# Altium PCB e-VEREST.PcbDoc (part 1 of 3) (continued)
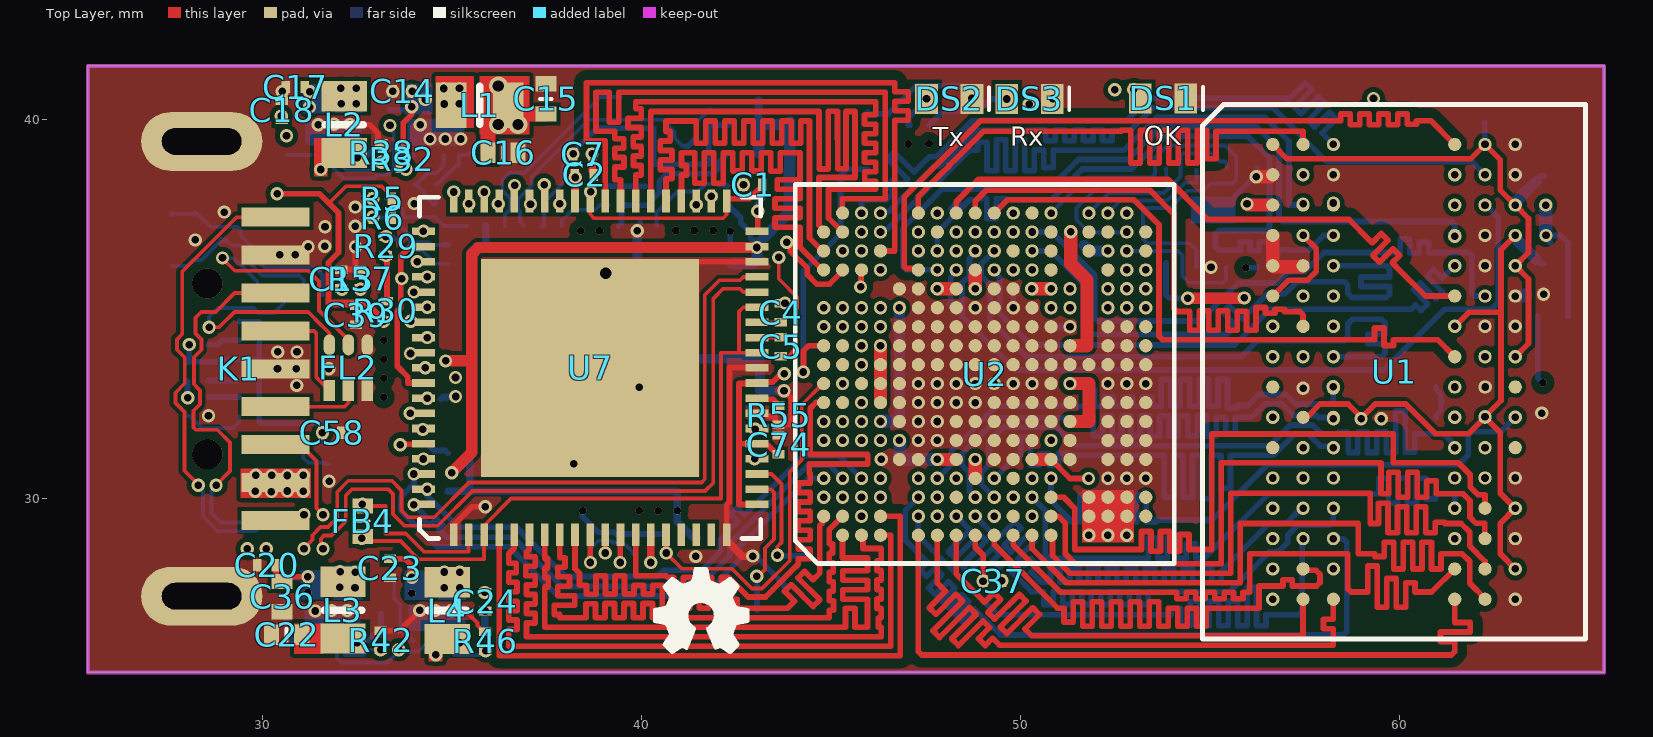
[diagram p0: Top Layer view]
## Footprints (in the part's own frame and the unit in brackets; to place one, negate y for a bottom-side part, rotate by r counter-clockwise, add the part's x,y. Pads: shape width x height; smd on the part's side, far side on the other; paste and mask are expansions set on the pad)
*BGA96C80P9X16_1000X1400X140N_IS43TR16512AL-125KBL(PRIMARY) [mm]
  round 0.35 smd: A1(-3.2,6) A2(-2.4,6) A3(-1.6,6) A7(1.6,6) A8(2.4,6) A9(3.2,6) B1(-3.2,5.2) B2(-2.4,5.2) B3(-1.6,5.2) B7(1.6,5.2) B8(2.4,5.2) B9(3.2,5.2) C1(-3.2,4.4) C2(-2.4,4.4) C3(-1.6,4.4) C7(1.6,4.4) C8(2.4,4.4) C9(3.2,4.4) D1(-3.2,3.6) D2(-2.4,3.6) D3(-1.6,3.6) D7(1.6,3.6) D8(2.4,3.6) D9(3.2,3.6) E1(-3.2,2.8) E2(-2.4,2.8) E3(-1.6,2.8) E7(1.6,2.8) E8(2.4,2.8) E9(3.2,2.8) F1(-3.2,2) F2(-2.4,2) F3(-1.6,2) F7(1.6,2) F8(2.4,2) F9(3.2,2) G1(-3.2,1.2) G2(-2.4,1.2) G3(-1.6,1.2) G7(1.6,1.2) G8(2.4,1.2) G9(3.2,1.2) H1(-3.2,0.4) H2(-2.4,0.4) H3(-1.6,0.4) H7(1.6,0.4) H8(2.4,0.4) H9(3.2,0.4) J1(-3.2,-0.4) J2(-2.4,-0.43) J3(-1.6,-0.43) J7(1.6,-0.4) J8(2.4,-0.4) J9(3.2,-0.4) K1(-3.2,-1.2) K2(-2.4,-1.2) K3(-1.6,-1.2) K7(1.6,-1.2) K8(2.4,-1.2) K9(3.2,-1.2) L1(-3.2,-2) L2(-2.4,-2) L3(-1.6,-2) L7(1.6,-2) L8(2.4,-2) L9(3.2,-2) M1(-3.2,-2.8) M2(-2.4,-2.8) M3(-1.6,-2.8) M7(1.6,-2.8) M8(2.4,-2.8) M9(3.2,-2.8) N1(-3.2,-3.6) N2(-2.4,-3.6) N3(-1.6,-3.6) N7(1.6,-3.6) N8(2.4,-3.6) N9(3.2,-3.6) P1(-3.2,-4.4) P2(-2.4,-4.4) P3(-1.6,-4.4) P7(1.6,-4.4) P8(2.4,-4.4) P9(3.2,-4.4) R1(-3.2,-5.2) R2(-2.4,-5.2) R3(-1.6,-5.2) R7(1.6,-5.2) R8(2.4,-5.2) R9(3.2,-5.2) T1(-3.2,-6) T2(-2.4,-6) T3(-1.6,-6) T7(1.6,-6) T8(2.4,-6) T9(3.2,-6)
  silkscreen extent -5.05,-7.05 5.05,7.05, body extent -5.05,-7.05 5.05,7.05, height 1.4
*BGA285N50P18X18_1000X1000X130 [mm]
  round 0.35 smd: A2(-3.75,4.25) A3(-3.25,4.25) A4(-2.75,4.25) A6(-1.75,4.25) A7(-1.25,4.25) A8(-0.75,4.25) A9(-0.25,4.25) A10(0.25,4.25) A11(0.75,4.25) A12(1.25,4.25) A13(1.75,4.25) A15(2.75,4.25) A16(3.25,4.25) A17(3.75,4.25) B1(-4.25,3.75) B2(-3.75,3.75) B3(-3.25,3.75) B4(-2.75,3.75) B6(-1.75,3.75) B7(-1.25,3.75) B8(-0.75,3.75) B9(-0.25,3.75) B10(0.25,3.75) B11(0.75,3.75) B12(1.25,3.75) B13(1.75,3.75) B15(2.75,3.75) B16(3.25,3.75) B17(3.75,3.75) B18(4.25,3.75) C1(-4.25,3.25) C2(-3.75,3.25) C3(-3.25,3.25) C4(-2.75,3.25) C6(-1.75,3.25) C7(-1.25,3.25) C8(-0.75,3.25) C9(-0.25,3.25) C10(0.25,3.25) C11(0.75,3.25) C12(1.25,3.25) C13(1.75,3.25) C15(2.75,3.25) C16(3.25,3.25) C17(3.75,3.25) C18(4.25,3.25) D1(-4.25,2.75) D2(-3.75,2.75) D3(-3.25,2.75) D4(-2.75,2.75) D6(-1.75,2.75) D7(-1.25,2.75) D8(-0.75,2.75) D9(-0.25,2.75) D10(0.25,2.75) D11(0.75,2.75) D12(1.25,2.75) D13(1.75,2.75) D15(2.75,2.75) D16(3.25,2.75) D17(3.75,2.75) D18(4.25,2.75) E5(-2.25,2.25) E6(-1.75,2.25) E7(-1.25,2.25) E8(-0.75,2.25) E9(-0.25,2.25) E10(0.25,2.25) E11(0.75,2.25) E12(1.25,2.25) E13(1.75,2.25) E14(2.25,2.25) F1(-4.25,1.75) F2(-3.75,1.75) F3(-3.25,1.75) F4(-2.75,1.75) F5(-2.25,1.75) F6(-1.75,1.75) F7(-1.25,1.75) F8(-0.75,1.75) F9(-0.25,1.75) F10(0.25,1.75) F11(0.75,1.75) F12(1.25,1.75) F13(1.75,1.75) F14(2.25,1.75) F15(2.75,1.75) F16(3.25,1.75) F17(3.75,1.75) F18(4.25,1.75) G1(-4.25,1.25) G2(-3.75,1.25) G3(-3.25,1.25) G4(-2.75,1.25) G5(-2.25,1.25) G6(-1.75,1.25) G7(-1.25,1.25) G8(-0.75,1.25) G9(-0.25,1.25) G10(0.25,1.25) G11(0.75,1.25) G12(1.25,1.25) G13(1.75,1.25) G14(2.25,1.25) G15(2.75,1.25) G16(3.25,1.25) G17(3.75,1.25) G18(4.25,1.25) H1(-4.25,0.75) H2(-3.75,0.75) H3(-3.25,0.75) H4(-2.75,0.75) H5(-2.25,0.75) H6(-1.75,0.75) H7(-1.25,0.75) H8(-0.75,0.75) H9(-0.25,0.75) H10(0.25,0.75) H11(0.75,0.75) H12(1.25,0.75) H13(1.75,0.75) H14(2.25,0.75) H15(2.75,0.75) H16(3.25,0.75) H17(3.75,0.75) H18(4.25,0.75) J1(-4.25,0.25) J2(-3.75,0.25) J3(-3.25,0.25) J4(-2.75,0.25) J5(-2.25,0.25) J6(-1.75,0.25) J7(-1.25,0.25) J8(-0.75,0.25) J9(-0.25,0.25) J10(0.25,0.25) J11(0.75,0.25) J12(1.25,0.25) J13(1.75,0.25) J14(2.25,0.25) J15(2.75,0.25) J16(3.25,0.25) J17(3.75,0.25) J18(4.25,0.25) K1(-4.25,-0.25) K2(-3.75,-0.25) K3(-3.25,-0.25) K4(-2.75,-0.25) K5(-2.25,-0.25) K6(-1.75,-0.25) K7(-1.25,-0.25) K8(-0.75,-0.25) K9(-0.25,-0.25) K10(0.25,-0.25) K11(0.75,-0.25) K12(1.25,-0.25) K13(1.75,-0.25) K14(2.25,-0.25) K15(2.75,-0.25) K16(3.25,-0.25) K17(3.75,-0.25) K18(4.25,-0.25) L1(-4.25,-0.75) L2(-3.75,-0.75) L3(-3.25,-0.75) L4(-2.75,-0.75) L5(-2.25,-0.75) L6(-1.75,-0.75) L7(-1.25,-0.75) L8(-0.75,-0.75) L9(-0.25,-0.75) L10(0.25,-0.75) L11(0.75,-0.75) L12(1.25,-0.75) L13(1.75,-0.75) L14(2.25,-0.75) L15(2.75,-0.75) L16(3.25,-0.75) L17(3.75,-0.75) L18(4.25,-0.75) M1(-4.25,-1.25) M2(-3.75,-1.25) M3(-3.25,-1.25) M4(-2.75,-1.25) M5(-2.25,-1.25) M6(-1.75,-1.25) M7(-1.25,-1.25) M8(-0.75,-1.25) M9(-0.25,-1.25) M10(0.25,-1.25) M11(0.75,-1.25) M12(1.25,-1.25) M13(1.75,-1.25) M14(2.25,-1.25) M15(2.75,-1.25) M16(3.25,-1.25) M17(3.75,-1.25) M18(4.25,-1.25) N1(-4.25,-1.75) N2(-3.75,-1.75) N3(-3.25,-1.75) N4(-2.75,-1.75) N5(-2.25,-1.75) N6(-1.75,-1.75) N7(-1.25,-1.75) N8(-0.75,-1.75) N9(-0.25,-1.75) N10(0.25,-1.75) N11(0.75,-1.75) N12(1.25,-1.75) N13(1.75,-1.75) N14(2.25,-1.75) N15(2.75,-1.75) N16(3.25,-1.75) N17(3.75,-1.75) N18(4.25,-1.75) P5(-2.25,-2.25) P6(-1.75,-2.25) P7(-1.25,-2.25) P8(-0.75,-2.25) P9(-0.25,-2.25) P10(0.25,-2.25) P11(0.75,-2.25) P12(1.25,-2.25) P13(1.75,-2.25) P14(2.25,-2.25) R1(-4.25,-2.75) R2(-3.75,-2.75) R3(-3.25,-2.75) R10(0.25,-2.75) R16(3.25,-2.75) R17(3.75,-2.75) R18(4.25,-2.75) T1(-4.25,-3.25) T2(-3.75,-3.25) T3(-3.25,-3.25) T4(-2.75,-3.25) T5(-2.25,-3.25) T6(-1.75,-3.25) T7(-1.25,-3.25) T8(-0.75,-3.25) T9(-0.25,-3.25) T10(0.25,-3.25) T11(0.75,-3.25) T12(1.25,-3.25) T13(1.75,-3.25) T14(2.25,-3.25) T15(2.75,-3.25) T16(3.25,-3.25) T17(3.75,-3.25) T18(4.25,-3.25) U1(-4.25,-3.75) U2(-3.75,-3.75) U3(-3.25,-3.75) U4(-2.75,-3.75) U5(-2.25,-3.75) U6(-1.75,-3.75) U7(-1.25,-3.75) U8(-0.75,-3.75) U9(-0.25,-3.75) U10(0.25,-3.75) U11(0.75,-3.75) U12(1.25,-3.75) U13(1.75,-3.75) U14(2.25,-3.75) U15(2.75,-3.75) U16(3.25,-3.75) U17(3.75,-3.75) U18(4.25,-3.75) V2(-3.75,-4.25) V3(-3.25,-4.25) V4(-2.75,-4.25) V5(-2.25,-4.25) V6(-1.75,-4.25) V7(-1.25,-4.25) V8(-0.75,-4.25) V9(-0.25,-4.25) V10(0.25,-4.25) V11(0.75,-4.25) V12(1.25,-4.25) V13(1.75,-4.25) V14(2.25,-4.25) V15(2.75,-4.25) V16(3.25,-4.25) V17(3.75,-4.25)
  silkscreen extent -5,-5 5,5, body extent -5,-5 5,5, height 1.3
*SON50P200X300X100-9N [mm]
  rect 0.6x0.27 smd: 1(-1.435,0.75) 2(-1.435,0.25) 3(-1.435,-0.25) 4(-1.435,-0.75) 5(1.435,-0.75) 6(1.435,-0.25) 7(1.435,0.25) 8(1.435,0.75)
  rect 1.625x1.425 smd: 9(0,0)
  silkscreen extent -1.52,-1.2 1.5,1.2, body extent -1.5,-1 1.5,1, height 0.75
*SON50P300X400X100-9N [mm]
  rect 0.5x0.2 smd: 1(-1.7,1.95) 2(-1.7,1.15) 3(-1.7,0.35) 4(-1.7,-0.45) 5(0.9,-0.45) 6(0.9,0.35) 7(0.9,1.15) 8(0.9,1.95)
  rect 0.2x0.8 smd: 9(-0.35,-0.05) 9(-0.35,1.55)
  silkscreen extent -1.9,-1.25 1.1,2.75, body extent -1.9,-1.25 1.1,2.75, height 0.55
CRYSTAL1210 [mm]
  rect 0.5x0.4 smd: 1(-0.4,-0.35) 2(0.4,-0.35) 3(0.4,0.35) 4(-0.4,0.35)
  body extent -0.61,-0.51 0.61,0.51, height 0.5
CRYSTAL2520 [mm]
  rect 0.75x0.6 smd: 1(-0.85,-0.65) 2(0.85,-0.65) 3(0.85,0.65) 4(-0.85,0.65)
  body extent -1.25,-1 1.25,1, height 0.5
FT601Q [mm]
  rect 0.6x0.2 smd: 1(-4.4,3.6) 2(-4.4,3.2) 3(-4.4,2.8) 4(-4.4,2.4) 5(-4.4,2) 6(-4.4,1.6) 7(-4.4,1.2) 8(-4.4,0.8) 9(-4.4,0.4) 10(-4.4,0) 11(-4.4,-0.4) 12(-4.4,-0.8) 13(-4.4,-1.2) 14(-4.4,-1.6) 15(-4.4,-2) 16(-4.4,-2.4) 17(-4.4,-2.8) 18(-4.4,-3.2) 19(-4.4,-3.6) 39(4.4,-3.6) 40(4.4,-3.2) 41(4.4,-2.8) 42(4.4,-2.4) 43(4.4,-2) 44(4.4,-1.6) 45(4.4,-1.2) 46(4.4,-0.8) 47(4.4,-0.4) 48(4.4,0) 49(4.4,0.4) 50(4.4,0.8) 51(4.4,1.2) 52(4.4,1.6) 53(4.4,2) 54(4.4,2.4) 55(4.4,2.8) 56(4.4,3.2) 57(4.4,3.6)
  rect 0.2x0.6 smd: 20(-3.6,-4.4) 21(-3.2,-4.4) 22(-2.8,-4.4) 23(-2.4,-4.4) 24(-2,-4.4) 25(-1.6,-4.4) 26(-1.2,-4.4) 27(-0.8,-4.4) 28(-0.4,-4.4) 29(0,-4.4) 30(0.4,-4.4) 31(0.8,-4.4) 32(1.2,-4.4) 33(1.6,-4.4) 34(2,-4.4) 35(2.4,-4.4) 36(2.8,-4.4) 37(3.2,-4.4) 38(3.6,-4.4) 58(3.6,4.4) 59(3.2,4.4) 60(2.8,4.4) 61(2.4,4.4) 62(2,4.4) 63(1.6,4.4) 64(1.2,4.4) 65(0.8,4.4) 66(0.4,4.4) 67(0,4.4) 68(-0.4,4.4) 69(-0.8,4.4) 70(-1.2,4.4) 71(-1.6,4.4) 72(-2,4.4) 73(-2.4,4.4) 74(-2.8,4.4) 75(-3.2,4.4) 76(-3.6,4.4)
  rect 5.75x5.75 smd: 77(0,0)
  silkscreen extent -4.5,-4.5 4.5,4.5, body extent -4.56,-4.56 4.56,4.56, height 1
LED0603 [mm]
  rect 0.6x0.8 smd: 1(-0.6,0) 2(0.6,0)
  silkscreen extent 1.05,-0.3 1.05,0.3, body extent -0.8,-0.4 0.8,0.4, height 0.65
QFN50P800X800X100-57N-D [mm]
  rect 0.55x0.3 smd: 1(-3.75,3.25) 2(-3.75,2.75) 3(-3.75,2.25) 4(-3.75,1.75) 5(-3.75,1.25) 6(-3.75,0.75) 7(-3.75,0.25) 8(-3.75,-0.25) 9(-3.75,-0.75) 10(-3.75,-1.25) 11(-3.75,-1.75) 12(-3.75,-2.25) 13(-3.75,-2.75) 14(-3.75,-3.25) 29(3.75,-3.3) 30(3.75,-2.8) 31(3.75,-2.3) 32(3.75,-1.8) 33(3.75,-1.3) 34(3.75,-0.8) 35(3.75,-0.3) 36(3.75,0.2) 37(3.75,0.7) 38(3.75,1.2) 39(3.75,1.7) 40(3.75,2.2) 41(3.75,2.7) 42(3.75,3.2)
  rect 0.3x0.55 smd: 15(-3.25,-3.75) 16(-2.75,-3.75) 17(-2.25,-3.75) 18(-1.75,-3.75) 19(-1.25,-3.75) 20(-0.75,-3.75) 21(-0.25,-3.75) 22(0.25,-3.75) 23(0.75,-3.75) 24(1.25,-3.75) 25(1.75,-3.75) 26(2.25,-3.75) 27(2.75,-3.75) 28(3.25,-3.75) 43(3.25,3.75) 44(2.75,3.75) 45(2.25,3.75) 46(1.75,3.75) 47(1.25,3.75) 48(0.75,3.75) 49(0.25,3.75) 50(-0.25,3.75) 51(-0.75,3.75) 52(-1.25,3.75) 53(-1.75,3.75) 54(-2.25,3.75) 55(-2.75,3.75) 56(-3.25,3.75)
  rect 5.95x5.95 smd: 57(0,0)
  silkscreen extent -4,-4 4,4, body extent -4,-4 4,4, height 0.8
QFN-MJ24 [mm] "QFN, 24-Leads, Body 4x4mm, Pitch 0.5mm, Microchip Recommended"
  rect 0.65x0.265 smd: 1(-1.95,1.25) 2(-1.95,0.75) 3(-1.95,0.25) 4(-1.95,-0.25) 5(-1.95,-0.75) 6(-1.95,-1.25) 13(1.95,-1.25) 14(1.95,-0.75) 15(1.95,-0.25) 16(1.95,0.25) 17(1.95,0.75) 18(1.95,1.25)
  rect 0.265x0.65 smd: 7(-1.25,-1.95) 8(-0.75,-1.95) 9(-0.25,-1.95) 10(0.25,-1.95) 11(0.75,-1.95) 12(1.25,-1.95) 19(1.25,1.95) 20(0.75,1.95) 21(0.25,1.95) 22(-0.25,1.95) 23(-0.75,1.95) 24(-1.25,1.95)
  rect 2.5x2.5 smd paste-1.3: 25(0,0)
  silkscreen extent -2.22,-2.22 2.22,2.22, body extent -2.07,-2.07 2.07,2.07, height 0.9
SMD0201#1 [mm]
  rect 0.225x0.325 smd: 1(-0.25,0) 2(0.25,0)
  body extent -0.29,-0.14 0.29,0.15, height 0.28
SMD0201#2 [mm]
  rect 0.225x0.325 smd: 1(-0.25,0) 2(0.25,-0.09)
  body extent -0.29,-0.14 0.29,0.15, height 0.28
SMD0402 [mm]
  rect 0.4x0.55 smd: 1(-0.4,0) 2(0.4,0)
  silkscreen extent 0,-0.15 0,0.15, body extent -0.5,-0.25 0.5,0.25, height 0.55
SMD0805 [mm]
  rect 0.8x1.2 smd: 1(-0.75,0) 2(0.75,0)
  silkscreen extent 0,-0.5 0,0.5, body extent -1,-0.6 1,0.6, height 1
SON50P135X260X55-10N-D [mm]
  rect 0.55x0.25 smd: 1(-0.45,1) 2(-0.45,0.5) 3(-0.45,0) 4(-0.45,-0.5) 5(-0.45,-1)
  oval 0.55x0.25 smd: 6(0.45,-1) 7(0.45,-0.5) 8(0.45,0) 9(0.45,0.5) 10(0.45,1)
  body extent -0.72,-1.3 0.72,1.3, height 0.55
SON50P150X170X55-6N-D [mm]
  rect 0.55x0.3 smd: 1(-0.6,0.5) 2(-0.6,0) 3(-0.6,-0.5)
  oval 0.55x0.3 smd: 4(0.6,-0.5) 5(0.6,0) 6(0.6,0.5)
  body extent -0.8,-0.85 0.8,0.85, height 0.55
TY [mm]
  rect 0.7x0.8 smd: 1(-1.025,-0.725) 2(1.025,-0.725) 3(1.025,0.725) 4(-1.025,0.725)
  silkscreen extent -1.15,-1.4 0.3,1, body extent -1.25,-1 1.25,1, height 0.7
USB-TYPE-A-3.0 [mm]
  round 0.8 hole 0.8 unplated: 0(0.15,-2.25) 0(0.15,2.25)
  rect 1.8x0.5 smd: 1(1.95,-4) 2(1.95,-3) 3(1.95,-2) 4(1.95,-1) 5(1.95,0) 6(1.95,1) 7(1.95,2) 8(1.95,3) 9(1.95,4)
  oval 3.2x1.55 hole 0.7 slot 2.1 at 0 deg: 10(0,-6) 10(0,6)
  body extent -17.95,-6 2.8,6, height 1.76
WLCSP20P4X5 [mm]
  round 0.25 smd: A1(0,0) A2(0.4,0) A3(0.8,0) A4(1.2,0) B1(0,-0.4) B2(0.4,-0.4) B3(0.8,-0.4) B4(1.2,-0.4) C1(0,-0.8) C2(0.4,-0.8) C3(0.8,-0.8) C4(1.2,-0.8) D1(0,-1.2) D2(0.4,-1.2) D3(0.8,-1.2) D4(1.2,-1.2) E1(0,-1.6) E2(0.4,-1.6) E3(0.8,-1.6) E4(1.2,-1.6)
  silkscreen extent -0.3,-1.9 1.5,0.3, body extent -0.15,-1.8 1.4,0.2, height 0.56

## Part data
C1 C2 C3 C4 C5 C6 C7 C8 C9 C10 C11 C12 C13 C14 C15 C16 C17 C18 C19 C20 C21 C22 C23 C24 C25 C30 C31 C33 C37 C39 C48 C49 C51 C52 C53 C54 C55 C56 C57 C58 C63 C67 C68 C69 C72 C73 C74: library part "CAP 0201", "Capacitor"
C26 C27 C28 C29 C32 C34 C35 C36 C38 C40 C50 C59 C60 C61 C64 C65 C66 C70 C71: library part "CAP 0402", "Capacitor"
DS1 DS2 DS3: "LED 0603 SMD"
FB1 FB2 FB3 FB4 FB5 FB6: library part "FERRITE 0402", "Ferrite Bead"
FL1: "Filter", Manufacturer_Name=STMicroelectronics, Mouser Part Number=511-ECMF04-4HSWM10, Arrow Part Number=ECMF04-4HSWM10, Arrow Price/Stock=https://www.arrow.com/en/products/ecmf04-4hswm10/stmicroelectronics, Datasheet Link=https://www.st.com/resource/en/datasheet/ecmf04-4hswm10.pdf, Height=0.55mm, Manufacturer_Part_Number=ECMF04-4HSWM10, Mouser Price/Stock=https://www.mouser.co.uk/ProductDetail/STMicroelectronics/ECMF04-4HSWM10?qs=9MuLHSklicqPUQRNi%252Bx1Sg%3D%3D
FL2: "Integrated Circuit", Manufacturer_Name=STMicroelectronics, Mouser Part Number=511-ECMF02-2AMX6, Arrow Part Number=ECMF02-2AMX6, Arrow Price/Stock=https://www.arrow.com/en/products/ecmf02-2amx6/stmicroelectronics, Datasheet Link=http://www.st.com/content/ccc/resource/technical/document/datasheet/3a/28/cf/d0/31/63/48/8c/CD00282307.pdf/files/CD00282307.pdf/jcr:content/translations/en.CD00282307.pdf, Height=0.55mm, Manufacturer_Part_Number=ECMF02-2AMX6, Mouser Price/Stock=https://www.mouser.co.uk/ProductDetail/STMicroelectronics/ECMF02-2AMX6?qs=raAh8RbVwI65u5gmT42%2Flg%3D%3D
K1: library part USB-TYPE-A-3.0, "Conn USB 3.0 Type A", Manufacturer Part Number=0480370001
L1 L2 L3 L4: library part "INDUCTOR SMD", "Inductor"
R1 R2 R58: library part "RES 0402", "Resistor", Height=0.28mm
R3 R4 R5 R6 R29 R30 R31 R32 R33 R34 R35 R36 R37 R38 R39 R40 R41 R42 R43 R44 R45 R46 R47 R48 R49 R50 R52 R53 R54 R55 R56 R57: library part "RES 0201", "Resistor", Height=0.28mm
U1: "DRAM Chip DDR3L SDRAM 8G-Bit 512Mx16 1.35V 96-Pin LF-BGA"
U7: "USB Bridge, USB to FIFO USB 3.0 FIFO Interface 76-QFN _9x9_", Package="QFN-76 FTDI", MF="FTDI, Future", MP=FT601Q-B-T
U8: "Integrated Circuit"
U9: "Microchip Technology USB2422/MJ, USB Controller, USB 2.0, 3.3 V, 24-Pin SQFN", Operating Temperature="0.00 °C (min)", Packaging=Tray
U10: library part AT25SF081-MAHD-T, "Integrated Circuit"
U12: library part 93LC46BT-I_MC
X1: library part CRYSTAL2520, "Crystal 2.5mm x 2.0mm"
X2 X3: library part CRYSTAL1210, "Crystal 1.2mm x 1.0mm"
Y1: library part MEMS-32Mhz, "Crystal or Oscillator"

## Via types
v1: diameter 0.35/0.2/0.2/0.2/0.2/0.35 (per signal layer), hole 0.2, Top Layer to Bottom Layer, tented both sides, 112 vias
v2: diameter 0.35/0.2/0.35/0.2/0.2/0.2 (per signal layer), hole 0.2, Top Layer to Bottom Layer, tented both sides, 80 vias
v3: diameter 0.35/0.2/0.35/0.35/0.2/0.35 (per signal layer), hole 0.2, Top Layer to Bottom Layer, tented both sides, 53 vias
v4: diameter 0.35/0.2/0.2/0.35/0.2/0.35 (per signal layer), hole 0.2, Top Layer to Bottom Layer, tented both sides, 41 vias
v5: diameter 0.35/0.2/0.2/0.35/0.2/0.2 (per signal layer), hole 0.2, Top Layer to Bottom Layer, tented both sides, 37 vias
v6: diameter 0.35/0.2/0.35/0.2/0.2/0.35 (per signal layer), hole 0.2, Top Layer to Bottom Layer, tented both sides, 20 vias
v7: diameter 0.35/0.2/0.35/0.35/0.2/0.2 (per signal layer), hole 0.2, Top Layer to Bottom Layer, tented both sides, 13 vias
v8: diameter 0.35/0.2/0.2/0.2/0.2/0.2 (per signal layer), hole 0.2, Top Layer to Bottom Layer, tented both sides, 7 vias
v9: diameter 0.2/0.2/0.2/0.35/0.2/0.35 (per signal layer), hole 0.2, Top Layer to Bottom Layer, tented both sides, 7 vias
v10: diameter 0.35/0.35/0.2/0.2/0.2/0.2 (per signal layer), hole 0.2, Top Layer to Bottom Layer, tented both sides, 6 vias
v11: diameter 0.35/0.2/0.2/0.2/0.35/0.35 (per signal layer), hole 0.2, Top Layer to Bottom Layer, tented both sides, 5 vias
v12: diameter 0.2/0.2/0.2/0.35/0.2/0.2 (per signal layer), hole 0.2, Top Layer to Bottom Layer, tented both sides, 5 vias
v13: diameter 0.35/0.2/0.2/0.2/0.35/0.2 (per signal layer), hole 0.2, Top Layer to Bottom Layer, tented both sides, 4 vias
v14: diameter 0.2/0.2/0.35/0.2/0.2/0.35 (per signal layer), hole 0.2, Top Layer to Bottom Layer, tented both sides, 3 vias
v15: diameter 0.35/0.2/0.35/0.2/0.35/0.35 (per signal layer), hole 0.2, Top Layer to Bottom Layer, tented both sides, 3 vias
v16: diameter 0.35/0.35/0.2/0.2/0.2/0.35 (per signal layer), hole 0.2, Top Layer to Bottom Layer, tented both sides, 3 vias
v17: diameter 0.2/0.35/0.2/0.2/0.2/0.2 (per signal layer), hole 0.2, Top Layer to Bottom Layer, tented both sides, 3 vias
v18: diameter 0.5/0.2/0.3/0.5/0.2/0.5 (per signal layer), hole 0.3, Top Layer to Bottom Layer, tented both sides, 3 vias
v19: diameter 0.45/0.45/0.3/0.45/0.45/0.45 (per signal layer), hole 0.3, Top Layer to Bottom Layer, tented both sides, 1 vias
v20: diameter 0.35/0.35/0.2/0.2/0.35/0.2 (per signal layer), hole 0.2, Top Layer to Bottom Layer, tented both sides, 1 vias
v21: diameter 0.35/0.2/0.35/0.2/0.35/0.2 (per signal layer), hole 0.2, Top Layer to Bottom Layer, tented both sides, 1 vias
v22: diameter 0.2/0.35/0.2/0.2/0.2/0.35 (per signal layer), hole 0.2, Top Layer to Bottom Layer, tented both sides, 1 vias
v23: diameter 0.2/0.2/0.2/0.2/0.2/0.2 (per signal layer), hole 0.2, Top Layer to Bottom Layer, tented both sides, 1 vias
v24: diameter 0.2/0.2/0.35/0.2/0.35/0.2 (per signal layer), hole 0.2, Top Layer to Bottom Layer, tented both sides, 1 vias

## Nets (pads, with @x,y where several pads share a name; then routed paths per layer and width w, separated by ;. In a path a pad name is that pad's centre, name@x,y a point inside that pad or via, vN(x,y) a via of type N, cw(c..) or ccw(c..) an arc to the next point about the centre after c; other vN are vias at no path point)
1.1V: C15.2 C16.2 C31.1 C50.1 C55.1 C56.1 L1.2 R33.2 U2.D8 U2.D9 U2.D10 U2.D11 U2.J4 U2.J5 U2.J14 U2.J15 U2.M4 U2.M15 U2.P7 U2.P9 U2.P11 U11.A4 | length 23.2
  Top Layer w0.15: L1.2@36.23,39.856 36.23,40.104 L1.2@36.488,40.362 L1.2@36.505,40.378 ; U2.P7@51.322,32.02 U2.P7@51.332,32.03
  Top Layer w0.35: U2.D8@46.31,32.52 U2.D9@46.31,33.02 U2.D10@46.31,33.52 v4(46.31,34.02) ; U2.J4@48.81,30.52 v5(48.81,31.02) ; v4(48.81,35.52) U2.J15@48.81,36.02 ; U2.P7@51.31,32.02 51.81,32.02 51.81,33.02 v4(51.31,33.02) ; U2.P11@51.31,34.02 U2.P11@51.31,34.02 51.76,34.021 51.76,34.334 51.76,35.75 51.33,36.18 51.33,37.023 v4(51.328,37.025)
  Top Layer w0.4: C16.2@35.95,39.11 35.95,39.6 ; 36.96,40.13 C15.2@37.48,40.13
  InLayer3 (PWR) w0.15: v5@48.8,31.03 v5(48.81,31.02) ; v5@50.295,30.535 v5(50.31,30.52)
  InLayer3 (PWR) w0.35: v5@48.8,31.03 48.8,31.044 50.295,31.044 ; v5@50.295,30.535 50.295,31.044 ; v5(50.31,36.02) 51.323,36.02 ; v4(51.31,33.02) 51.79,33.02 51.79,32.02 50.295,32.02 50.295,31.044 ; 51.323,37.508 51.323,36.02 ; 51.843,33.92 51.843,35.623 51.446,36.02 51.323,36.02
  Bottom Layer w0.1: R33.2@34.56,38.27 34.61,38.27 35.115,38.775 35.18,38.775 U11.A4@35.18,39.05 35.42,39.05 v18(36.226,39.856)
  other v18: 36.746,39.856 36.229,40.871
1.35V: C18.2 C19.2 C52.1 C53.1 C67.1 FB5.1 FB6.1 L2.2 R1.1 R37.2 U2.M5 U2.M14 U2.N5 U2.N14 U3.A4 | length 64.2
  Top Layer w0.15: 31.5,39.372 31.54,39.332 31.54,39.3
  Top Layer w0.155: U2.N5@50.81,31.02 51.312,30.518 v4(51.801,30.518)
  Top Layer w0.35: U2.M5@50.31,31.02 U2.N5@50.81,31.02 ; U2.M14@50.31,35.52 v13(50.81,35.52)
  InLayer2 (Signal) w0.15: 31.448,39.393 31.5,39.34 ; v6(32.509,38.985) v6@32.563,38.985 ; v15(50.233,40.389) v15(50.233,40.389)
  InLayer2 (Signal) w0.2: v6(30.5,40.08) 30.678,40.08 31.365,39.393 31.448,39.393
  InLayer2 (Signal) w0.35: 32.679,39.311 33.79,39.311 34.078,39.022 35.423,39.022 35.583,39.183 37.208,39.183 37.765,39.74 39.39,39.74 39.63,39.98 50.234,39.98 ; v15(50.233,40.389) 50.234,39.98 ; v3(59.318,40.542) v3(59.318,40.542) 59.317,39.98 50.234,39.98
  InLayer3 (PWR) w0.155: v4@51.801,30.542 51.833,30.542 52.164,30.873 54.445,30.873 55.483,31.91 55.483,35.395 55.39,35.488 55.39,39.25 56.107,39.967 59.318,39.967
  InLayer3 (PWR) w0.2: v4(51.801,30.518) v4@51.801,30.542
  InLayer3 (PWR) w0.35: v3(59.318,40.542) 59.318,39.967 63.163,39.967 63.86,39.27 v4(63.86,37.73)
  InLayer4 (GND) w0.2: 50.233,37.602 50.81,37.025
  InLayer4 (GND) w0.3: 50.233,37.602 v15(50.233,40.389) ; v13(50.81,35.52) 50.81,37.025
  Bottom Layer w0.15: U3.A4@32.472,39.051 32.782,39.051 33.092,39.361 R37.2@33.142,39.361 ; v4(63.86,37.73) FB6.1@63.865,37.725 ; FB5.1@63.865,36.935 v1(63.87,36.93) ; FB5.1@63.995,36.731 63.87,36.856 v1(63.87,36.93) ; R1.1@64.45,34.8 64.45,36.74 64.26,36.93 v1(63.87,36.93)
  Bottom Layer w0.35: FB5.1@63.865,36.935 FB6.1@63.865,37.725
  other v1: 50.3,35.52
  other v2: 31.543,38.67
2.5V: C2.2 C21.2 C22.2 C32.1 C49.1 C51.1 C73.1 L3.2 R41.2 U2.D7 U2.E6 U2.E13 U2.G5 U2.G14 U2.H5 U2.H14 U2.N6 U2.P13 U4.A4 U7.14 U7.49 U7.59 U7.68 | length 67.9
  Top Layer w0.15: L3.2@31.928,26.293 L3.2@32.128,26.293 L3.2@32.328,26.293 ; U7.68@34.25,33.035 33.84,33.035 33.84,33.197 33.56,33.478 33.56,34.937 33.65,35.028 33.65,35.837 33.65,36.38 33.899,36.629 34.244,36.629 U7.59@34.25,36.635 ; U7.49@38.25,37.835 U7.49@38.25,37.835
  Top Layer w0.2: U7.49@38.25,37.835 38.255,37.843 v5(38.255,38.458) ; v5(40.251,28.3) U7.14@40.25,29.035
  Top Layer w0.35: v6(47.81,31.02) U2.H5@48.31,31.02 ; v20(47.81,35.52) U2.H14@48.31,35.52
  InLayer2 (Signal) w0.15: v6(47.81,31.02) v6@47.82,31.02
  InLayer2 (Signal) w0.2: v6@47.82,31.02 48.445,31.645 49.079,31.645 49.204,31.52 v2(50.81,31.52)
  InLayer3 (PWR) w0.3: v4(32.498,26.185) 33.154,26.84 33.154,28.575 33.144,28.585 33.144,30.32 32.568,30.896 32.568,32.125 32.375,32.318 32.375,34.658 32.81,35.093 33.399,35.093 33.575,35.269 33.575,35.678 33.675,35.778 v5(33.675,35.791) ; v5@33.69,35.88 33.69,36.406 33.924,36.64 37.331,36.64 38.25,37.559 38.25,38.432 38.473,38.655 39.895,38.655 40.55,39.31 46.44,39.31 46.616,39.486 46.616,39.653 46.796,39.833 47.839,39.833 48.014,39.657 48.014,39.134 46.81,37.93 v11(46.81,35.02) ; v5@40.264,28.287 40.243,28.266 40.243,27.298 46.323,27.298 46.81,27.785 v4(46.81,31.52) 46.81,32.016 v1@46.314,32.016
  InLayer3 (PWR) w0.35: v1(46.31,32.02) v1@46.314,32.016
  InLayer1 (GND) w0.15: v20(47.81,35.52) 48.8,34.53 50.82,34.53 v16(51.31,35.02)
  InLayer4 (GND) w0.3: v11(46.81,35.02) 47.31,35.02 v20(47.81,35.52)
  Bottom Layer w0.15: U4.A4@32.44,26.24 32.45,26.25 32.82,26.25 33.07,26.5 33.092,26.5 33.13,26.538 C21.2@33.13,26.95 ; v1(46.31,32.02) v1@46.32,32.03 ; v4(46.81,31.52) v4@46.826,31.504
  Bottom Layer w0.3: 46.81,32.03 C32.1@46.81,33.61 v11(46.81,35.02)
  Bottom Layer w0.35: v1@46.32,32.03 46.81,32.03 ; v4@46.826,31.504 46.826,31.02 v6(47.81,31.02)
3.3V: C11.1 C24.2 C25.2 C30.1 C39.2 C48.1 C57.1 C58.1 FB1.2 FB2.2 FB3.1 L4.2 R5.2 R6.2 R30.2 R45.2 R47.1 R49.1 R53.1 R54.1 R56.1 U2.D12 U2.N13 U2.P14 U2.T14 U5.A4 U7.37 U8.16 U8.36 U8.44 U8.50 U9.1 U9.9 U9.16 U9.18 U10.8 U12.8 Y1.1 Y1.4 | length 97.6
  Top Layer w0.1: 31.76,37.78 32.205,38.225 33.145,38.225 33.4,37.97 R5.2@33.4,37.89
  Top Layer w0.15: v4(30.39,38.03) 31.51,38.03 31.76,37.78 32.01,37.53 32.01,36.477 31.746,36.213 31.746,35.16 ; R6.2@33.41,37.41 R6.2@33.42,37.4 R5.2@33.42,37.9 ; 35.467,33.618 35.525,33.56 ; U7.37@43.025,36.61 U7.37@43.05,36.635
  Top Layer w0.2: 31.773,35.133 32.737,35.133 R30.2@33.2,34.67
  Top Layer w0.3: v1(34.835,33.618) 35.467,33.618 ; v4(34.996,30.671) 35.525,31.2 35.525,33.56 35.525,36.434 35.701,36.61 U7.37@43.025,36.61 ; v11(54.42,35.27) v5@55.92,35.27
  InLayer2 (Signal) w0.2: v15(50.81,35.02) v21(51.31,35.52)
  InLayer3 (PWR) w0.15: v4(28.07,34.05) 28.07,35.178 27.92,35.328 27.92,35.95 30,38.03 v4(30.39,38.03)
  InLayer3 (PWR) w0.3: v4(33.2,34.66) 33.099,34.66 32.775,34.336 32.775,32.484 32.968,32.291 32.968,31.062 33.55,30.48 33.55,29.345 38.42,29.345 38.44,29.365 38.44,29.65 v12(38.45,29.66) ; 34.996,29.369 v4(34.996,30.671)
  InLayer3 (PWR) w0.5: 36.523,26.981 36.64,26.864 36.64,26.798 46.581,26.798 48.779,28.995 50.689,28.995 51.687,29.993 54.202,29.993 55.91,31.701 v5(55.91,35.28)
  InLayer4 (GND) w0.15: v13(46.31,34.52) v13@46.34,34.55
  InLayer4 (GND) w0.2: v13@46.34,34.55 50.37,34.55 50.81,34.99 v15(50.81,35.02)
  InLayer4 (GND) w0.3: v21(51.31,35.52) 51.835,35.52 ; v11(52.31,35.52) 51.835,35.52 ; v11(54.42,35.27) 53.745,34.595 52.134,34.595 51.835,34.894 51.835,35.52
  Bottom Layer w0.15: C11.1@27.993,33.59 C11.1@28.02,33.59 28.032,33.59 C11.1@28.037,33.595 ; v4(28.07,34.05) 28.07,33.627 C11.1@28.037,33.595 ; U9.18@29.39,34.66 29.394,34.656 29.915,34.656 29.915,33.67 ; U9.9@31.59,31.46 31.59,31.971 29.915,31.971 29.915,33.67 ; R45.2@35.874,26.486 R45.2@35.89,26.47 ; v12(38.45,29.66) 38.45,29.508 38.858,29.1 39.285,29.1 39.335,29.05 R53.1@39.85,29.05 R54.1@40.66,29.05 ; R56.1@42.253,37.714 42.303,37.714 42.621,37.396 42.621,37.265 42.871,37.015 42.871,36.863 42.934,36.8 FB3.1@43.05,36.8 ; R56.1@42.253,37.738 42.303,37.738 R56.1@42.34,37.7 ; FB3.1@43.052,36.718 FB3.1@43.071,36.738 ; FB3.1@43.071,36.8 43.134,36.8 FB3.1@43.196,36.863 ; C57.1@43.09,40.5 C57.1@43.091,40.499 ; FB2.2@43.091,39.875 FB2.2@43.108,39.858 FB2.2@43.101,39.85 ; FB1.2@43.094,39.031 FB1.2@43.094,39.106 FB1.2@43.101,39.113 ; FB2.2@43.101,39.698 FB2.2@43.101,39.848 ; Y1.1@43.698,39.858 Y1.1@43.708,39.848 ; Y1.4@43.911,38.674 Y1.4@43.916,38.674 ; U10.8@53.848,36.2 53.844,36.196 53.844,35.358 53.932,35.27 v11(54.42,35.27) ; C11.1@28.037,33.595 28.575,33.595 R47.1@28.58,33.6 28.88,33.6 28.94,33.66 U9.16@29.39,33.66 29.905,33.66 29.915,33.67
  Bottom Layer w0.2: R45.2@35.874,26.486 C25.2@35.874,26.841 ; FB2.2@43.091,39.875 C57.1@43.091,40.499
  Bottom Layer w0.3: U8.16@42.4,36.18 42.92,36.18 43.052,36.312 FB3.1@43.052,36.718 ; FB1.2@43.101,39.113 FB2.2@43.101,39.85 ; FB2.2@43.108,39.858 Y1.1@43.698,39.858 ; FB3.1@43.225,36.863 43.906,37.544 43.906,38.663 Y1.4@43.916,38.674 ; Y1.4@43.911,38.674 Y1.1@43.911,39.922
  other v1: 31.586,31.721 43.05,36.61
  other v4: 35.207,26.178
  other v5: 34.575,25.868
  other v9: 35.878,27.02
CAS#: U1.K3 U2.J3 | length 20.2
  Bottom Layer w0.15: v1(48.81,30.02) 48.66,30.17 48.66,30.675 48.46,30.875 48.46,31.165 49.415,32.12 50.959,32.12 51.595,32.121 51.67,32.122 51.67,32.172 51.92,32.172 51.92,31.63 52.17,31.63 52.17,32.172 52.42,32.172 52.42,31.63 52.67,31.63 52.67,32.172 52.92,32.172 52.92,31.63 53.17,31.63 53.17,32.172 53.42,32.172 53.42,31.63 53.67,31.63 53.67,32.172 53.92,32.172 53.92,31.63 54.17,31.63 54.17,32.172 54.42,32.172 54.42,31.63 54.67,31.63 54.67,32.172 54.92,32.172 54.92,31.63 55.17,31.63 55.17,32.132 55.42,32.132 55.42,31.703 55.67,31.703 55.67,32.128 56.098,32.128 56.28,32.31 56.45,32.48 56.903,32.48 57.203,32.18 57.815,32.18 57.868,32.127 58.222,32.127 v1(58.26,32.089)
CK_N: R4.2 U1.K7 U2.F16 | length 19.5
  InLayer2 (Signal) w0.1: v2(47.31,36.52) 47.31,36.537 47.19,36.658 47.112,36.658 47.01,36.555 47.01,36.35 47.11,36.25 47.295,36.25 47.485,36.06 47.485,35.167 49.082,33.57 55.168,33.57 55.998,32.74 56.958,32.74 57.179,32.519 57.621,32.519 57.741,32.639 58.759,32.639 58.762,32.643 60.358,32.643 61.181,33.466 61.702,33.466 61.939,33.229 61.939,32.612 61.745,32.417 61.569,32.417 61.508,32.357 61.508,32.178 v2(61.46,32.13)
CK_P: R3.1 U1.J7 U2.F17 | length 19.5
  InLayer2 (Signal) w0.1: v2(47.31,37.02) 47.31,37.003 47.19,36.883 47.019,36.883 46.785,36.648 46.785,36.257 47.017,36.025 47.201,36.025 47.26,35.966 47.26,35.074 48.989,33.345 55.075,33.345 55.905,32.515 56.865,32.515 57.02,32.36 57.086,32.294 57.715,32.294 57.834,32.414 58.852,32.414 58.855,32.417 60.451,32.417 61.274,33.241 61.608,33.241 61.714,33.136 61.714,32.705 ; v2(61.46,32.93) 61.508,32.882 61.508,32.703 61.569,32.643 61.651,32.643 61.71,32.701
CKE: U1.K9 U2.N4 | length 20.3
  Bottom Layer w0.15: v1(50.81,30.52) 50.81,29.937 51.23,29.517 51.324,29.422 51.324,29.376 51.574,29.376 51.574,30.082 51.824,30.082 51.824,29.37 52.074,29.37 52.074,30.082 52.324,30.082 52.324,29.37 52.574,29.37 52.574,30.082 52.824,30.082 52.824,29.37 53.074,29.37 53.074,30.082 53.324,30.082 53.324,29.361 53.574,29.361 53.574,29.42 53.649,29.42 55.055,29.42 56.515,30.88 61.568,30.88 61.815,31.128 61.815,31.664 61.903,31.752 62.682,31.752 v1(63.06,32.13)
D1_N: U8.7 U9.2 | length 7.2
  InLayer3 (PWR) w0.1: v9@33.29,34.16 33.345,34.16 33.547,34.362 34.053,34.362 34.226,34.535 34.474,34.535 34.571,34.438 34.654,34.438 34.82,34.604 34.82,35.942 35.188,36.31 37.425,36.31 38.046,36.931 38.218,36.931 38.343,37.055 v12(38.402,37.055)
  other v9: 33.2,34.16
D1_P: U8.8 U9.3 | length 8
  InLayer3 (PWR) w0.1: v9@33.29,33.66 33.29,33.687 33.34,33.737 33.34,33.739 33.738,34.137 34.023,34.137 34.226,33.935 34.474,33.935 34.65,34.111 34.65,34.116 35.045,34.511 35.045,35.849 35.281,36.085 37.518,36.085 38.139,36.706 38.55,36.706 v12(38.896,37.052)
  other v9: 33.2,33.66
D2_N: U7.25 U9.4 | length 10.8
  InLayer3 (PWR) w0.1: v9@33.29,33.16 33.336,33.16 33.474,33.022 33.658,33.022 33.885,32.796 34.086,32.796 34.226,32.935 34.474,32.935 34.665,32.745 34.665,32.465 35.582,31.548 42.806,31.548 42.95,31.692 v5@42.95,31.83
  other v5: 43.005,31.812
  other v9: 33.2,33.16
D2_P: U7.23 U9.5 | length 10.5
  InLayer3 (PWR) w0.1: v9@33.29,32.66 33.336,32.66 33.474,32.798 33.565,32.798 33.792,32.571 33.989,32.571 34.261,32.298 34.513,32.298 34.651,32.161 35.489,31.323 42.806,31.323 42.95,31.179 v5@42.95,31.041
  other v5: 42.988,31.033
  other v9: 33.2,32.66
DML: U1.F2 U2.J17 | length 13.8
  InLayer2 (Signal) w0.15: v8(48.81,37.02) 48.81,37.543 48.992,37.725 48.992,37.829 49.474,38.31 53.297,38.31 54.649,36.958 56.973,36.958 57.416,36.515 58.57,36.515 58.658,36.427 58.658,35.835 58.57,35.747 57.548,35.747 57.46,35.659 v2(57.46,35.33)
  Bottom Layer w0.15: v2(57.46,35.33) v2@57.46,35.36